# Altium PCB CHAHARDOLI-7 ADAD METAL.PcbDoc (part 9 of 11)
Units mm, origin at the board's own origin, x right, y up, seen from the top; angles counter-clockwise.
Board outline 151 x 86.38 mm, 2 copper layers (Top Layer, Bottom Layer); 1496 components, 81 nets, 3725 pads, 848 vias.
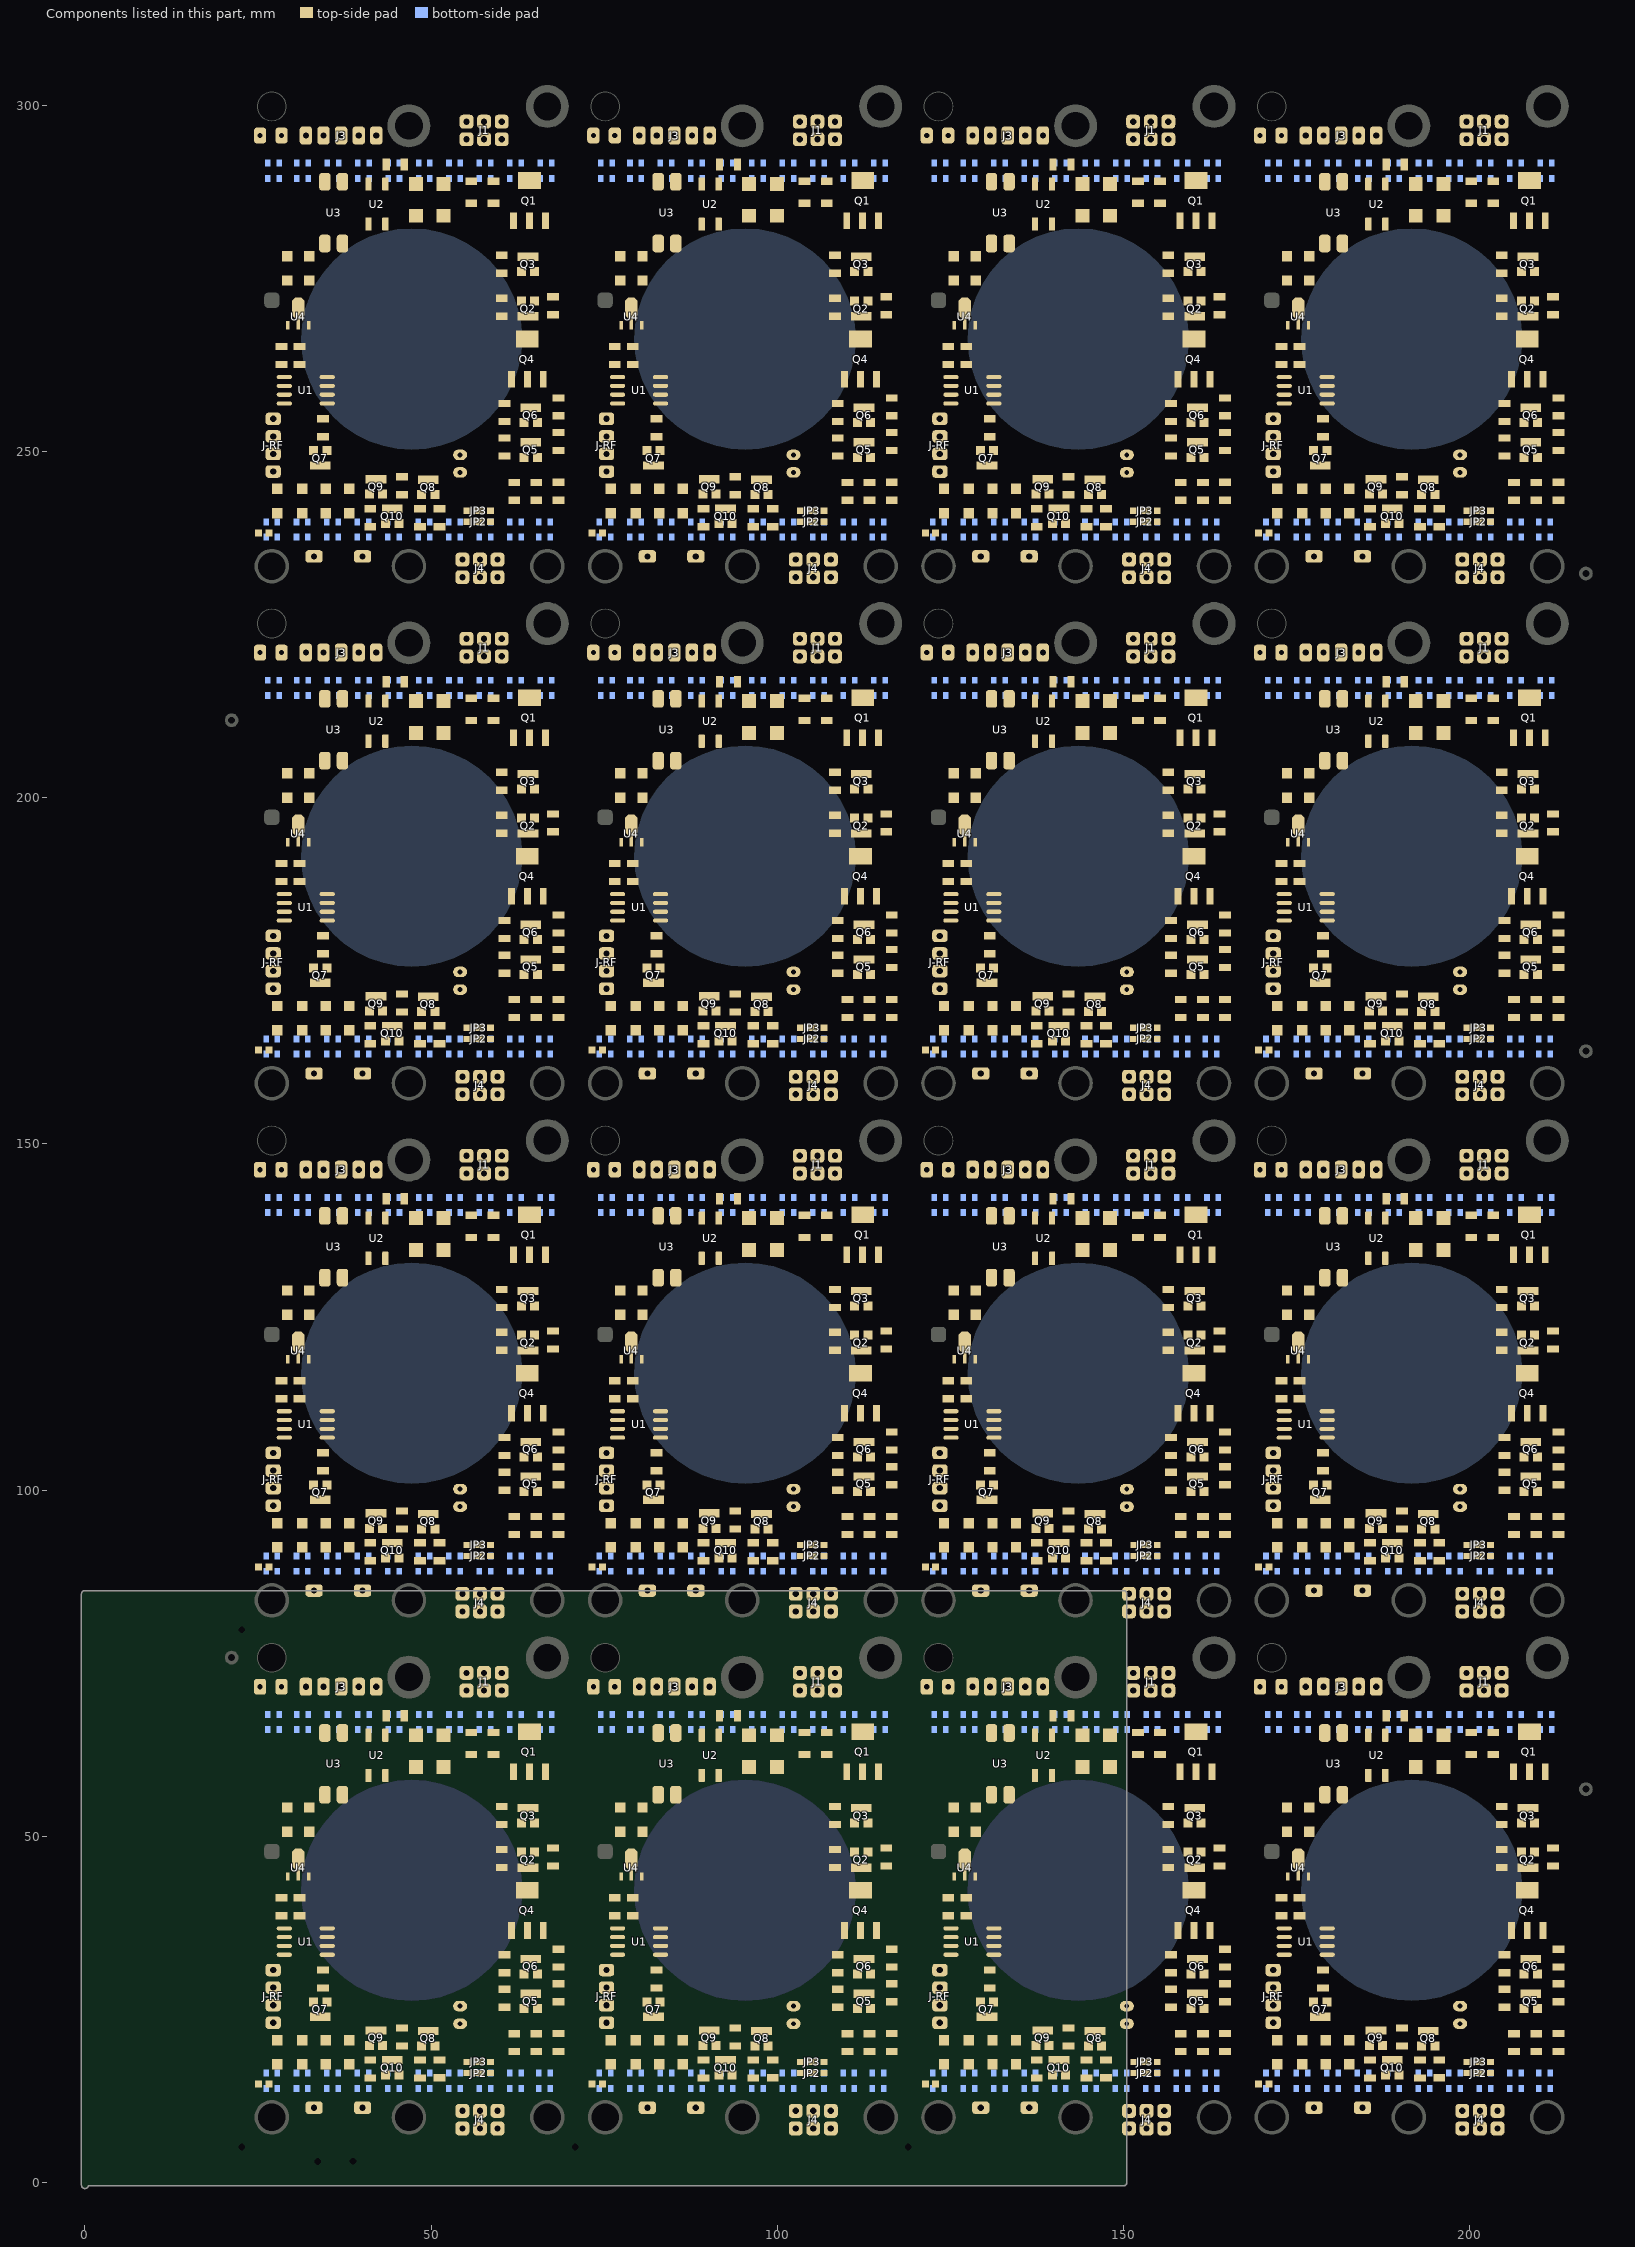
[diagram p9: the components of this part, seen from the top]

## Via types
v1: diameter 1.2, hole 0.6, Top Layer to Bottom Layer, tented both sides, 464 vias
v2: diameter 0.9, hole 0.6, Top Layer to Bottom Layer, tented both sides, 128 vias
v3: diameter 1, hole 0.6, Top Layer to Bottom Layer, tented both sides, 128 vias
v4: diameter 1.27, hole 0.6, Top Layer to Bottom Layer, tented both sides, 112 vias
v5: diameter 1.27, hole 0.711, Top Layer to Bottom Layer, tented both sides, 16 vias

## Nets (pads, with @x,y where several pads share a name; then routed paths per layer and width w, separated by ;. In a path a pad name is that pad's centre, name@x,y a point inside that pad or via, vN(x,y) a via of type N, cw(c..) or ccw(c..) an arc to the next point about the centre after c; other vN are vias at no path point) (continued)
copper on no net: (continued)
  Bottom Layer w0.4: 23.6,90.688 26.2,90.688 26.4,90.488 26.4,89.622 ; 23.6,165.376 26.2,165.376 26.4,165.176 26.4,164.311 ; 23.6,240.064 26.2,240.064 26.4,239.864 26.4,238.999 ; v1(25.25,136.024) 25.25,136.241 24.588,136.902 24.588,141.654 25.234,142.3 26.376,142.3 26.388,142.288 ; v1(25.25,210.712) 25.25,210.929 24.588,211.59 24.588,216.342 25.234,216.988 26.376,216.988 26.388,216.976 ; v1(25.25,285.4) 25.25,285.617 24.588,286.279 24.588,291.03 25.234,291.676 26.376,291.676 26.388,291.664 ; 26.162,88.288 26.362,88.088 26.362,87.926 26.562,87.726 27.1,87.188 30.1,87.188 30.574,87.662 30.574,88.022 30.8,88.249 ; 26.162,162.976 26.362,162.776 26.362,162.614 26.562,162.414 27.1,161.876 30.1,161.876 30.574,162.35 30.574,162.71 30.8,162.937 ; 26.162,237.664 26.362,237.464 26.362,237.303 26.562,237.103 27.1,236.564 30.1,236.564 30.574,237.038 30.574,237.398 30.8,237.625 ; 26.362,88.288 26.362,90.488 ; 26.362,162.976 26.362,165.176 ; 26.362,237.664 26.362,239.864 ; 26.388,140.088 26.588,139.888 26.588,139.5 27.8,138.288 27.8,136.717 24.6,133.517 24.6,93.688 25.8,92.488 61.366,92.488 61.413,92.441 61.73,92.441 61.883,92.288 v1(62,92.288) 62.2,92.288 63.134,91.354 63.134,90.611 63.012,90.488 ; 26.388,214.776 26.588,214.576 26.588,214.188 27.8,212.976 27.8,211.405 24.6,208.205 24.6,168.376 25.8,167.176 61.366,167.176 61.413,167.129 61.73,167.129 61.883,166.976 v1(62,166.976) 62.2,166.976 63.134,166.042 63.134,165.299 63.012,165.176 ; 26.388,289.464 26.588,289.264 26.588,288.876 27.8,287.664 27.8,286.093 24.6,282.893 24.6,243.064 25.8,241.864 61.366,241.864 61.413,241.817 61.73,241.817 61.883,241.664 v1(62,241.664) 62.2,241.664 63.134,240.73 63.134,239.987 63.012,239.864 ; 26.4,89.388 28.5,89.388 29.6,90.488 30.562,90.488 30.774,90.488 ; 26.4,164.076 28.5,164.076 29.6,165.176 30.562,165.176 30.774,165.176 ; 26.4,238.764 28.5,238.764 29.6,239.864 30.562,239.864 30.774,239.864 ; v1(26.6,137.488) 25.388,138.7 25.388,140.876 25.7,141.188 28.769,141.188 29.823,142.242 30.388,142.242 30.388,142.288 ; v1(26.6,212.176) 25.388,213.388 25.388,215.564 25.7,215.876 28.769,215.876 29.822,216.93 30.388,216.93 30.388,216.976 ; v1(26.6,286.864) 25.388,288.076 25.388,290.253 25.7,290.564 28.769,290.564 29.822,291.618 30.388,291.618 30.388,291.664 ; v1(27.4,133.288) 27.247,133.135 27.247,132.735 26.3,131.788 26.3,109.188 29.2,106.288 29.2,96.888 31.85,94.238 57.37,94.238 58.42,95.288 v1(58.6,95.288) ; v1(27.4,207.976) 27.247,207.823 27.247,207.423 26.3,206.476 26.3,183.876 29.2,180.976 29.2,171.576 31.85,168.926 57.37,168.926 58.42,169.976 v1(58.6,169.976) ; v1(27.4,282.664) 27.247,282.511 27.247,282.111 26.3,281.164 26.3,258.564 29.2,255.664 29.2,246.264 31.85,243.614 57.37,243.614 58.42,244.664 v1(58.6,244.664) ; 27.812,88.288 28.6,88.288 29.7,89.388 33.072,89.388 34.168,88.292 34.958,88.292 34.962,88.288 ; 27.812,162.976 28.6,162.976 29.7,164.076 33.072,164.076 34.168,162.98 34.958,162.98 34.962,162.976 ; 27.812,237.664 28.6,237.664 29.7,238.764 33.072,238.764 34.168,237.668 34.958,237.668 34.962,237.664 ; 28.012,90.488 28.012,91.354 28.246,91.588 34.766,91.588 35,91.354 35,90.488 ; 28.012,165.176 28.012,166.042 28.246,166.276 34.766,166.276 35,166.042 35,165.176 ; 28.012,239.864 28.012,240.73 28.246,240.964 34.766,240.964 35,240.73 35,239.864 ; 28.038,142.288 28.238,142.488 28.238,142.926 28.7,143.388 34.3,143.388 34.788,142.9 34.788,142.488 34.988,142.288 ; 28.038,216.976 28.238,217.176 28.238,217.614 28.7,218.076 34.3,218.076 34.788,217.588 34.788,217.176 34.988,216.976 ; 28.038,291.664 28.238,291.864 28.238,292.303 28.7,292.764 34.3,292.764 34.788,292.276 34.788,291.864 34.988,291.664 ; 28.232,140.281 28.237,140.287 28.999,140.287 29.9,141.188 33.1,141.188 34.2,140.088 34.588,140.088 ; 28.232,214.97 28.237,214.975 28.999,214.975 29.9,215.876 33.1,215.876 34.2,214.776 34.588,214.776 ; 28.232,289.658 28.237,289.663 28.998,289.663 29.9,290.564 33.1,290.564 34.2,289.464 34.588,289.464 ; v1(28.6,134.688) 28.6,134.472 29,134.072 29,132.888 27.1,130.988 27.1,109.588 30,106.688 30,97.688 32.65,95.038 56.647,95.038 58.497,96.888 62.038,96.888 v1@63.2,98.05 ; v1(28.6,209.376) 28.6,209.16 29,208.76 29,207.576 27.1,205.676 27.1,184.276 30,181.376 30,172.376 32.65,169.726 56.647,169.726 58.497,171.576 62.038,171.576 v1@63.2,172.738 ; v1(28.6,284.064) 28.6,283.848 29,283.448 29,282.264 27.1,280.364 27.1,258.964 30,256.064 30,247.064 32.65,244.414 56.647,244.414 58.497,246.264 62.038,246.264 v1@63.2,247.426 ; 30.588,140.088 30.42,139.92 30.42,138.205 25.4,133.185 25.4,94.908 26.87,93.438 59.15,93.438 59.4,93.688 63.6,93.688 v1(65,92.288) 65.8,92.288 67.012,91.076 67.012,90.688 67.212,90.488 ; 30.588,214.776 30.42,214.608 30.42,212.893 25.4,207.873 25.4,169.596 26.87,168.126 59.15,168.126 59.4,168.376 63.6,168.376 v1(65,166.976) 65.8,166.976 67.012,165.764 67.012,165.376 67.212,165.176 ; 30.588,289.464 30.42,289.296 30.42,287.581 25.4,282.561 25.4,244.284 26.87,242.814 59.15,242.814 59.4,243.064 63.6,243.064 v1(65,241.664) 65.8,241.664 67.012,240.453 67.012,240.064 67.212,239.864 ; 32.238,142.288 33.24,142.288 34.34,141.188 37.608,141.188 38.623,142.202 39.302,142.202 39.388,142.288 ; 32.238,216.976 33.24,216.976 34.34,215.876 37.608,215.876 38.622,216.89 39.302,216.89 39.388,216.976 ; 32.238,291.664 33.24,291.664 34.34,290.564 37.608,290.564 38.622,291.579 39.302,291.579 39.388,291.664 ; 32.266,139.861 32.266,139.222 32.6,138.888 38.8,138.888 39.22,139.308 39.22,139.896 39.4,140.077 ; 32.266,214.549 32.266,213.911 32.6,213.576 38.8,213.576 39.22,213.996 39.22,214.584 39.4,214.765 ; 32.266,289.237 32.266,288.599 32.6,288.264 38.8,288.264 39.22,288.684 39.22,289.273 39.4,289.453 ; 32.424,90.288 32.524,90.188 33.403,90.188 34.203,89.388 37.569,89.388 38.369,90.188 39.162,90.188 39.374,90.4 39.374,90.488 ; 32.424,164.976 32.524,164.876 33.403,164.876 34.203,164.076 37.569,164.076 38.369,164.876 39.162,164.876 39.374,165.088 39.374,165.176 ; 32.424,239.664 32.524,239.564 33.403,239.564 34.203,238.764 37.569,238.764 38.369,239.564 39.162,239.564 39.374,239.776 39.374,239.864 ; 32.524,88.088 32.624,87.988 32.624,87.665 33.1,87.188 38.7,87.188 39.162,87.65 39.162,88.019 39.4,88.258 ; 32.524,162.776 32.624,162.676 32.624,162.353 33.1,161.876 38.7,161.876 39.162,162.338 39.162,162.707 39.4,162.946 ; 32.524,237.464 32.624,237.364 32.624,237.041 33.1,236.564 38.7,236.564 39.162,237.026 39.162,237.396 39.4,237.634 ; 36.612,88.288 37.6,88.288 38.7,89.388 40.363,89.388 41.66,89.388 42.76,88.288 43.762,88.288 ; 36.612,162.976 37.6,162.976 38.7,164.076 40.363,164.076 41.66,164.076 42.76,162.976 43.762,162.976 ; 36.612,237.664 37.6,237.664 38.7,238.764 40.363,238.764 41.66,238.764 42.76,237.664 43.762,237.664 ; 36.638,140.176 36.75,140.176 36.838,140.088 37.64,140.088 38.74,141.188 41.7,141.188 42.8,140.088 43.788,140.088 ; 36.638,142.288 36.838,142.488 36.838,142.926 37.3,143.388 43.1,143.388 43.588,142.9 43.588,142.488 43.788,142.288 ; 36.638,214.864 36.75,214.864 36.838,214.776 37.64,214.776 38.74,215.876 41.7,215.876 42.8,214.776 43.788,214.776 ; 36.638,216.976 36.838,217.176 36.838,217.614 37.3,218.076 43.1,218.076 43.588,217.588 43.588,217.176 43.788,216.976 ; 36.638,289.552 36.75,289.552 36.838,289.464 37.64,289.464 38.74,290.564 41.7,290.564 42.8,289.464 43.788,289.464 ; 36.638,291.664 36.838,291.864 36.838,292.303 37.3,292.764 43.1,292.764 43.588,292.276 43.588,291.864 43.788,291.664 ; 36.65,90.488 36.65,91.354 36.884,91.588 43.527,91.588 43.762,91.354 43.762,90.488 ; 36.65,165.176 36.65,166.042 36.884,166.276 43.527,166.276 43.762,166.042 43.762,165.176 ; 36.65,239.864 36.65,240.73 36.884,240.964 43.527,240.964 43.762,240.73 43.762,239.864 ; 40.812,90.488 40.898,90.402 ; 40.812,165.176 40.898,165.09 ; 40.812,239.864 40.898,239.779 ; 40.838,141.988 42.1,141.988 42.9,141.188 46.169,141.188 47.264,142.284 48.196,142.284 ; 40.838,216.676 42.1,216.676 42.9,215.876 46.169,215.876 47.264,216.972 48.196,216.972 ; 40.838,291.364 42.1,291.364 42.9,290.564 46.169,290.564 47.264,291.66 48.196,291.66 ; 41.024,88.288 41.212,88.1 41.212,87.676 41.7,87.188 47.5,87.188 47.962,87.65 47.962,87.988 48.182,88.208 48.199,88.208 ; 41.024,162.976 41.212,162.788 41.212,162.364 41.7,161.876 47.5,161.876 47.962,162.338 47.962,162.676 48.182,162.897 48.199,162.897 ; 41.024,237.664 41.212,237.476 41.212,237.053 41.7,236.564 47.5,236.564 47.962,237.026 47.962,237.364 48.182,237.585 48.199,237.585 ; 41.038,140.088 41.2,139.926 41.2,139.288 41.6,138.888 47.6,138.888 48,139.288 48,139.788 48.132,139.92 48.22,139.92 ; 41.038,214.776 41.2,214.614 41.2,213.976 41.6,213.576 47.6,213.576 48,213.976 48,214.476 48.132,214.608 48.22,214.608 ; 41.038,289.464 41.2,289.303 41.2,288.664 41.6,288.264 47.6,288.264 48,288.664 48,289.164 48.132,289.296 48.22,289.296 ; 41.098,90.402 41.777,90.402 42.792,89.388 46.382,89.388 47.482,90.488 48.162,90.488 ; 41.098,165.09 41.777,165.09 42.792,164.076 46.382,164.076 47.482,165.176 48.162,165.176 ; 41.098,239.779 41.777,239.779 42.792,238.764 46.382,238.764 47.482,239.864 48.162,239.864 ; 45.412,88.288 45.576,88.452 46.577,88.452 47.513,89.388 49.68,89.388 50.46,89.388 51.556,88.292 52.558,88.292 52.562,88.288 ; 45.412,90.488 45.412,91.354 45.646,91.588 52.327,91.588 52.562,91.354 52.562,90.488 ; 45.412,162.976 45.576,163.14 46.577,163.14 47.513,164.076 49.68,164.076 50.46,164.076 51.556,162.98 52.558,162.98 52.562,162.976 ; 45.412,165.176 45.412,166.042 45.646,166.276 52.327,166.276 52.562,166.042 52.562,165.176 ; 45.412,237.664 45.576,237.829 46.577,237.829 47.513,238.764 49.68,238.764 50.46,238.764 51.556,237.668 52.558,237.668 52.562,237.664 ; 45.412,239.864 45.412,240.73 45.646,240.964 52.327,240.964 52.562,240.73 52.562,239.864 ; 45.438,140.088 45.442,140.092 46.204,140.092 47.3,141.188 50.7,141.188 51.8,140.088 52.588,140.088 ; 45.438,142.288 45.638,142.488 45.638,142.926 46.1,143.388 51.9,143.388 52.388,142.9 52.388,142.488 52.588,142.288 ; 45.438,214.776 45.442,214.78 46.204,214.78 47.3,215.876 50.7,215.876 51.8,214.776 52.588,214.776 ; 45.438,216.976 45.638,217.176 45.638,217.614 46.1,218.076 51.9,218.076 52.388,217.588 52.388,217.176 52.588,216.976 ; 45.438,289.464 45.442,289.468 46.204,289.468 47.3,290.564 50.7,290.564 51.8,289.464 52.588,289.464 ; 45.438,291.664 45.638,291.864 45.638,292.303 46.1,292.764 51.9,292.764 52.388,292.276 52.388,291.864 52.588,291.664 ; 49.812,88.288 50.012,88.088 50.012,87.676 50.6,87.088 56.2,87.088 56.762,87.65 56.762,88.157 57,88.395 ; 49.812,90.488 50.6,90.488 51.7,89.388 55.1,89.388 56.2,90.488 56.562,90.488 ; 49.812,162.976 50.012,162.776 50.012,162.364 50.6,161.776 56.2,161.776 56.762,162.338 56.762,162.845 57,163.083 ; 49.812,165.176 50.6,165.176 51.7,164.076 55.1,164.076 56.2,165.176 56.562,165.176 ; 49.812,237.664 50.012,237.464 50.012,237.053 50.6,236.464 56.2,236.464 56.762,237.026 56.762,237.533 57,237.772 ; 49.812,239.864 50.6,239.864 51.7,238.764 55.1,238.764 56.2,239.864 56.562,239.864 ; 49.838,140.088 50,139.926 50,139.288 50.4,138.888 56.4,138.888 56.82,139.308 56.82,139.82 56.972,139.972 ; 49.838,214.776 50,214.614 50,213.976 50.4,213.576 56.4,213.576 56.82,213.996 56.82,214.508 56.972,214.66 ; 49.838,289.464 50,289.303 50,288.664 50.4,288.264 56.4,288.264 56.82,288.684 56.82,289.196 56.972,289.348 ; 50.038,142.288 50.042,142.284 50.804,142.284 51.9,141.188 55.208,141.188 56.008,141.988 56.788,141.988 57.118,142.318 ; 50.038,216.976 50.042,216.972 50.804,216.972 51.9,215.876 55.208,215.876 56.008,216.676 56.788,216.676 57.118,217.006 ; 50.038,291.664 50.042,291.66 50.804,291.66 51.9,290.564 55.208,290.564 56.008,291.364 56.788,291.364 57.118,291.695 ; 54.212,88.288 55.213,88.288 56.313,89.388 59.3,89.388 60.4,88.288 61.362,88.288 ; 54.212,90.488 54.295,90.571 54.295,91.354 54.529,91.588 60.262,91.588 61.062,90.788 61.162,90.788 61.362,90.588 61.362,90.488 ; 54.212,162.976 55.213,162.976 56.313,164.076 59.3,164.076 60.4,162.976 61.362,162.976 ; 54.212,165.176 54.295,165.259 54.295,166.042 54.529,166.276 60.262,166.276 61.062,165.476 61.162,165.476 61.362,165.276 61.362,165.176 ; 54.212,237.664 55.213,237.664 56.313,238.764 59.3,238.764 60.4,237.664 61.362,237.664 ; 54.212,239.864 54.295,239.947 54.295,240.73 54.529,240.964 60.262,240.964 61.062,240.164 61.162,240.164 61.362,239.964 61.362,239.864 ; 54.238,142.288 54.438,142.488 54.438,142.926 54.9,143.388 60.7,143.388 61.188,142.9 61.188,142.288 61.272,142.204 ; 54.238,216.976 54.438,217.176 54.438,217.614 54.9,218.076 60.7,218.076 61.188,217.588 61.188,216.976 61.272,216.892 ; 54.238,291.664 54.438,291.864 54.438,292.303 54.9,292.764 60.7,292.764 61.188,292.276 61.188,291.664 61.272,291.58 ; 54.242,140.192 54.334,140.192 54.438,140.088 55.24,140.088 56.34,141.188 59.608,141.188 60.508,140.288 61.188,140.288 61.388,140.088 ; 54.242,214.88 54.334,214.88 54.438,214.776 55.24,214.776 56.34,215.876 59.608,215.876 60.508,214.976 61.188,214.976 61.388,214.776 ; 54.242,289.568 54.334,289.568 54.438,289.464 55.24,289.464 56.34,290.564 59.608,290.564 60.508,289.664 61.188,289.664 61.388,289.464 ; 58.612,88.288 58.812,88.088 58.812,87.676 59.4,87.088 64.262,87.088 65.362,88.188 65.362,88.288 ; 58.612,90.488 59.6,90.488 60.7,89.388 63.66,89.388 64.76,90.488 65.362,90.488 ; 58.612,162.976 58.812,162.776 58.812,162.364 59.4,161.776 64.262,161.776 65.362,162.876 65.362,162.976 ; 58.612,165.176 59.6,165.176 60.7,164.076 63.66,164.076 64.76,165.176 65.362,165.176 ; 58.612,237.664 58.812,237.464 58.812,237.053 59.4,236.464 64.262,236.464 65.362,237.564 65.362,237.664 ; 58.612,239.864 59.6,239.864 60.7,238.764 63.66,238.764 64.76,239.864 65.362,239.864 ; 58.638,140.088 58.793,139.933 58.793,139.295 59.2,138.888 65.2,138.888 65.62,139.308 65.62,139.978 65.8,140.158 ; 58.638,142.088 58.838,142.288 59.64,142.288 60.74,141.188 63.808,141.188 64.908,142.288 65.788,142.288 ; 58.638,214.776 58.793,214.621 58.793,213.983 59.2,213.576 65.2,213.576 65.62,213.996 65.62,214.666 65.8,214.846 ; 58.638,216.776 58.838,216.976 59.64,216.976 60.74,215.876 63.808,215.876 64.908,216.976 65.788,216.976 ; 58.638,289.464 58.793,289.309 58.793,288.671 59.2,288.264 65.2,288.264 65.62,288.684 65.62,289.354 65.8,289.534 ; 58.638,291.464 58.838,291.664 59.64,291.664 60.74,290.564 63.808,290.564 64.908,291.664 65.788,291.664 ; v1@58.656,95.232 58.911,95.488 64.4,95.488 68.212,91.676 68.212,89.74 67.86,89.388 64.862,89.388 63.762,88.288 63.012,88.288 ; v1@58.656,169.921 58.911,170.176 64.4,170.176 68.212,166.364 68.212,164.428 67.86,164.076 64.862,164.076 63.762,162.976 63.012,162.976 ; v1@58.656,244.609 58.911,244.864 64.4,244.864 68.212,241.053 68.212,239.116 67.86,238.764 64.862,238.764 63.762,237.664 63.012,237.664 ; 63.038,142.288 63.238,142.488 63.238,142.926 63.8,143.488 67.166,143.488 67.4,143.254 67.4,142.326 67.438,142.288 ; 63.038,216.976 63.238,217.176 63.238,217.614 63.8,218.176 67.166,218.176 67.4,217.942 67.4,217.014 67.438,216.976 ; 63.038,291.664 63.238,291.864 63.238,292.303 63.8,292.864 67.166,292.864 67.4,292.63 67.4,291.703 67.438,291.664 ; v1(63.219,98.069) v1@63.2,98.05 ; v1(63.219,172.757) v1@63.2,172.738 ; v1(63.219,247.445) v1@63.2,247.426 ; 63.438,140.088 63.442,140.092 64.004,140.092 65.1,141.188 67.4,141.188 67.438,141.188 67.438,140.088 ; 63.438,214.776 63.442,214.78 64.004,214.78 65.1,215.876 67.4,215.876 67.438,215.876 67.438,214.776 ; 63.438,289.464 63.442,289.468 64.004,289.468 65.1,290.564 67.4,290.564 67.438,290.564 67.438,289.464 ; 67.212,88.088 68.4,88.088 69.012,88.7 69.012,92.076 63.2,97.888 v1@63.2,98.05 ; 67.212,162.776 68.4,162.776 69.012,163.388 69.012,166.764 63.2,172.576 v1@63.2,172.738 ; 67.212,237.464 68.4,237.464 69.012,238.076 69.012,241.453 63.2,247.264 v1@63.2,247.426 ; 71.745,16 74.345,16 74.545,15.8 74.545,14.934 ; 71.745,90.688 74.345,90.688 74.545,90.488 74.545,89.622 ; 71.745,165.376 74.345,165.376 74.545,165.176 74.545,164.311 ; 71.745,240.064 74.345,240.064 74.545,239.864 74.545,238.999 ; v1(73.395,61.336) 73.395,61.552 72.733,62.214 72.733,66.966 73.379,67.612 74.521,67.612 74.533,67.6 ; v1(73.395,136.024) 73.395,136.241 72.733,136.902 72.733,141.654 73.379,142.3 74.521,142.3 74.533,142.288 ; v1(73.395,210.712) 73.395,210.929 72.733,211.59 72.733,216.342 73.379,216.988 74.521,216.988 74.533,216.976 ; v1(73.395,285.4) 73.395,285.617 72.733,286.279 72.733,291.03 73.379,291.676 74.521,291.676 74.533,291.664 ; 74.307,13.6 74.507,13.4 74.507,13.238 74.707,13.038 75.245,12.5 78.245,12.5 78.719,12.974 78.719,13.334 78.945,13.56 ; 74.307,88.288 74.507,88.088 74.507,87.926 74.707,87.726 75.245,87.188 78.245,87.188 78.719,87.662 78.719,88.022 78.945,88.249 ; 74.307,162.976 74.507,162.776 74.507,162.614 74.707,162.414 75.245,161.876 78.245,161.876 78.719,162.35 78.719,162.71 78.945,162.937 ; 74.307,237.664 74.507,237.464 74.507,237.303 74.707,237.103 75.245,236.564 78.245,236.564 78.719,237.038 78.719,237.398 78.945,237.625 ; 74.507,13.6 74.507,15.8 ; 74.507,88.288 74.507,90.488 ; 74.507,162.976 74.507,165.176 ; 74.507,237.664 74.507,239.864 ; 74.533,65.4 74.733,65.2 74.733,64.812 75.945,63.6 75.945,62.028 72.745,58.828 72.745,19 73.945,17.8 109.511,17.8 109.558,17.753 109.875,17.753 110.028,17.6 v1(110.145,17.6) 110.345,17.6 111.279,16.666 111.279,15.923 111.157,15.8 ; 74.533,140.088 74.733,139.888 74.733,139.5 75.945,138.288 75.945,136.717 72.745,133.517 72.745,93.688 73.945,92.488 109.511,92.488 109.558,92.441 109.875,92.441 110.028,92.288 v1(110.145,92.288) 110.345,92.288 111.279,91.354 111.279,90.611 111.157,90.488 ; 74.533,214.776 74.733,214.576 74.733,214.188 75.945,212.976 75.945,211.405 72.745,208.205 72.745,168.376 73.945,167.176 109.511,167.176 109.558,167.129 109.875,167.129 110.028,166.976 v1(110.145,166.976) 110.345,166.976 111.279,166.042 111.279,165.299 111.157,165.176 ; 74.533,289.464 74.733,289.264 74.733,288.876 75.945,287.664 75.945,286.093 72.745,282.893 72.745,243.064 73.945,241.864 109.511,241.864 109.558,241.817 109.875,241.817 110.028,241.664 v1(110.145,241.664) 110.345,241.664 111.279,240.73 111.279,239.987 111.157,239.864 ; 74.545,14.7 76.645,14.7 77.745,15.8 78.707,15.8 78.919,15.8 ; 74.545,89.388 76.645,89.388 77.745,90.488 78.707,90.488 78.919,90.488 ; 74.545,164.076 76.645,164.076 77.745,165.176 78.707,165.176 78.919,165.176 ; 74.545,238.764 76.645,238.764 77.745,239.864 78.707,239.864 78.919,239.864 ; v1(74.745,62.8) 73.533,64.012 73.533,66.188 73.845,66.5 76.914,66.5 77.968,67.554 78.533,67.554 78.533,67.6 ; v1(74.745,137.488) 73.533,138.7 73.533,140.876 73.845,141.188 76.914,141.188 77.968,142.242 78.533,142.242 78.533,142.288 ; v1(74.745,212.176) 73.533,213.388 73.533,215.564 73.845,215.876 76.914,215.876 77.968,216.93 78.533,216.93 78.533,216.976 ; v1(74.745,286.864) 73.533,288.076 73.533,290.253 73.845,290.564 76.914,290.564 77.968,291.618 78.533,291.618 78.533,291.664 ; v1(75.545,58.6) 75.392,58.447 75.392,58.047 74.445,57.1 74.445,34.5 77.345,31.6 77.345,22.2 79.995,19.55 105.515,19.55 106.565,20.6 v1(106.745,20.6) ; v1(75.545,133.288) 75.392,133.135 75.392,132.735 74.445,131.788 74.445,109.188 77.345,106.288 77.345,96.888 79.995,94.238 105.515,94.238 106.565,95.288 v1(106.745,95.288) ; v1(75.545,207.976) 75.392,207.823 75.392,207.423 74.445,206.476 74.445,183.876 77.345,180.976 77.345,171.576 79.995,168.926 105.515,168.926 106.565,169.976 v1(106.745,169.976) ; v1(75.545,282.664) 75.392,282.511 75.392,282.111 74.445,281.164 74.445,258.564 77.345,255.664 77.345,246.264 79.995,243.614 105.515,243.614 106.565,244.664 v1(106.745,244.664) ; 75.957,13.6 76.745,13.6 77.845,14.7 81.217,14.7 82.313,13.604 83.103,13.604 83.107,13.6 ; 75.957,88.288 76.745,88.288 77.845,89.388 81.217,89.388 82.313,88.292 83.103,88.292 83.107,88.288 ; 75.957,162.976 76.745,162.976 77.845,164.076 81.217,164.076 82.313,162.98 83.103,162.98 83.107,162.976 ; 75.957,237.664 76.745,237.664 77.845,238.764 81.217,238.764 82.313,237.668 83.103,237.668 83.107,237.664 ; 76.157,15.8 76.157,16.666 76.391,16.9 82.911,16.9 83.145,16.666 83.145,15.8 ; 76.157,90.488 76.157,91.354 76.391,91.588 82.911,91.588 83.145,91.354 83.145,90.488 ; 76.157,165.176 76.157,166.042 